# Altium PCB Copy of CAN_ESP.PcbDoc (part 2 of 2)
Units mm, origin at the board's own origin, x right, y up, seen from the top; angles counter-clockwise.
Board outline 74.5 x 32.7 mm, 2 copper layers (Top Layer, Bottom Layer), stack 1.1 mm thick; 81 components, 81 nets, 370 pads, 358 vias.
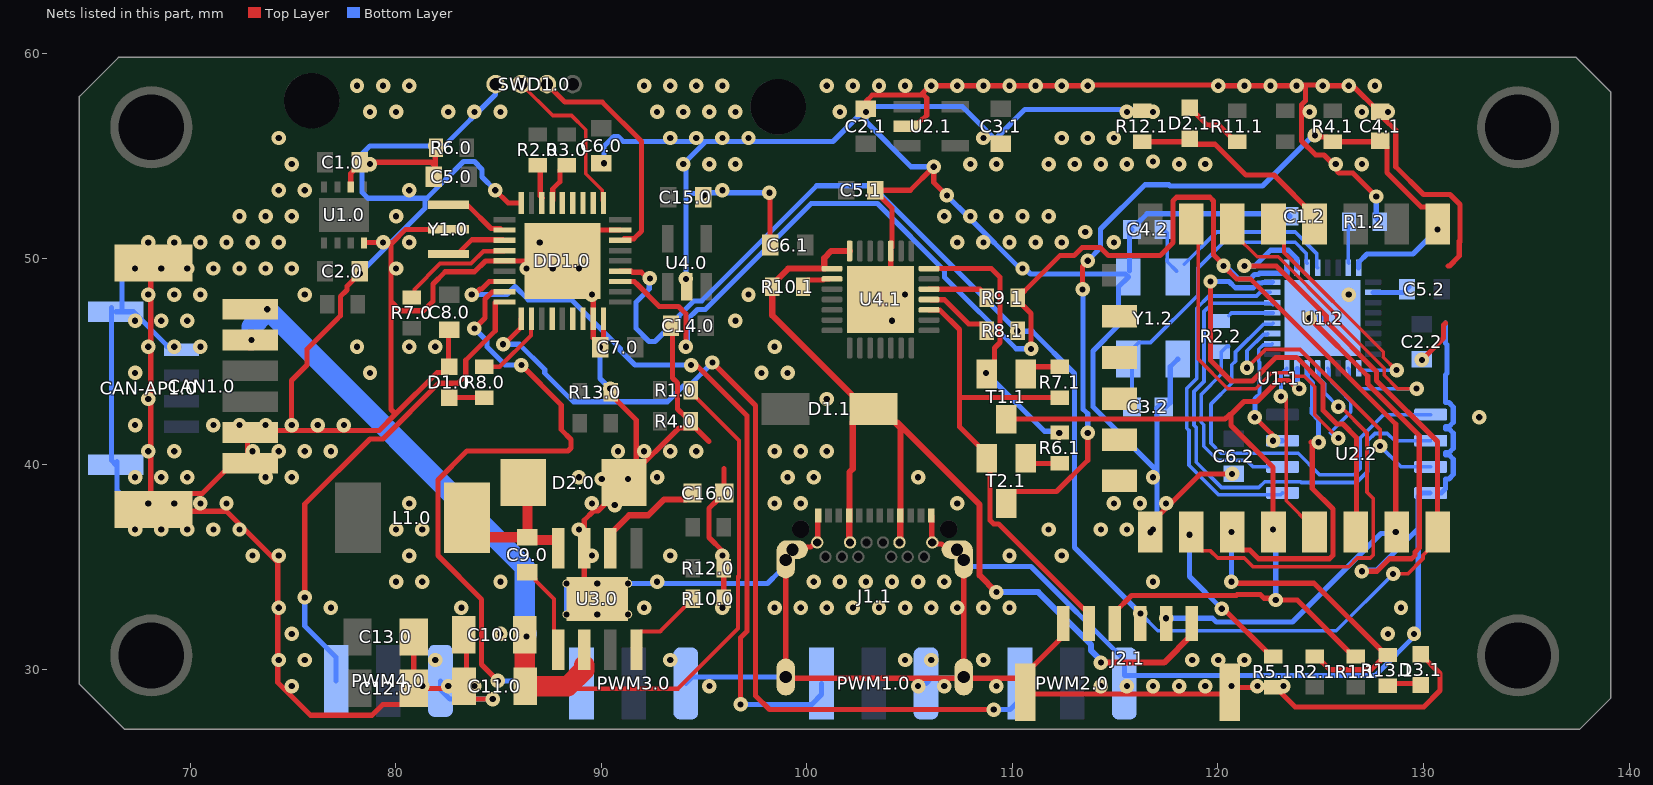
[diagram p2: the nets of this part, all layers, seen from the top]

## Via types
v1: diameter 0.7, hole 0.3, Top Layer to Bottom Layer, tented both sides, 358 vias

## Nets (pads, with @x,y where several pads share a name; then routed paths per layer and width w, separated by ;. In a path a pad name is that pad's centre, name@x,y a point inside that pad or via, vN(x,y) a via of type N, cw(c..) or ccw(c..) an arc to the next point about the centre after c; other vN are vias at no path point) (continued)
GND: C1.0.2 C1.2.2 C2.0.2 C2.1.2 C2.2.2 C3.1.2 C3.2.2 C4.1.2 C4.2.1 C5.0.2 C5.1.2 C6.0.2 C6.1.2 C6.2.2 C7.0.2 C8.0.2 C10.0.2 C11.0.2 C12.0.1 C13.0.1 C14.0.2 C15.0.2 C16.0.1 CAN1.0.5 CAN1.0.6 CAN1.0.P1 CAN1.0.P2 CAN-AP1.0.4 CAN-AP1.0.SH1 CAN-AP1.0.SH2 D1.0.C D2.0.A D3.1.C DD1.0.5 DD1.0.17 DD1.0.18 DD1.0.26 DD1.0.36 DD1.0.37 J1.1.A1 J1.1.A12 J1.1.B1 J1.1.B12 J1.1.SH1 J1.1.SH2 J1.1.SH3 J1.1.SH4 J1.1.SH5 J1.1.SH6 J2.1.6 J2.1.S1 J2.1.S2 PWM1.0.1 PWM2.0.1 PWM3.0.1 PWM4.0.1 R1.2.2 R4.0.1 R5.1.2 R6.0.1 R10.0.1 R12.0.1 R12.1.2 R13.0.1 SWD1.0.1 U1.0.2 U1.0.8 U1.1.15 U1.2.33 U2.1.2 U2.2.4 U3.0.7 U3.0.9 U4.0.2 U4.1.3 U4.1.29 Y1.0.2 Y1.2.2 Y1.2.4 | length 477.5
  Top Layer w0.25: CAN1.0.P1@67.326,49.8 CAN1.0.P1@68.2,49.8 68.072,49.672 CAN1.0.P2@68.072,37.846 ; CAN1.0.P2@67.437,37.719 67.518,37.8 CAN1.0.P2@68.2,37.8 68.975,38.575 70.485,38.575 70.575,38.575 72.005,40.005 CAN1.0.6@72.39,40.005 ; CAN1.0.P2@69.469,37.719 71.755,37.719 72.517,36.957 74.249,35.225 74.249,33.02 74.249,29.383 75.842,27.79 78.838,27.79 79.363,28.315 80.304,28.315 80.869,28.88 C12.0.1@80.869,29.1 ; CAN1.0.6@72.771,40.005 72.771,41.421 CAN1.0.5@72.9,41.55 73.006,41.656 v1@74.731,41.656 ; U1.0.2@77.8,53.5 77.8,54.15 78.105,54.455 C1.0.2@78.105,54.7 ; C2.0.2@77.978,49.276 77.978,49.028 77.615,48.665 77.615,48.482 77.295,48.162 77.295,47.228 77.122,47.055 75.67,45.603 75.67,44.832 74.915,44.077 74.915,41.84 v1@74.731,41.656 ; C1.0.2@78.25,54.7 81.698,54.7 81.915,54.483 R6.0.1@81.915,55.365 ; U1.0.8@78.486,50.8 v1(79.375,50.8) 79.756,50.8 ; C13.0.1@80.869,31.6 C12.0.1@80.869,29.1 ; D1.0.C@82.55,44.704 82.55,46.5 C8.0.2@82.6,46.55 ; Y1.0.2@82.55,51.435 80.478,51.435 79.843,50.8 79.756,50.8 ; D1.0.C@82.6,44.75 82.325,44.475 82.014,44.475 79.983,42.445 ; C11.0.2@83.312,28.956 83.693,28.575 v1(84.709,28.575) ; C11.0.2@83.312,29.21 83.202,29.1 82.55,29.1 C12.0.1@80.869,29.1 ; C11.0.2@83.315,29.2 83.439,29.324 C10.0.2@83.439,31.75 ; v1(84.836,53.34) 85.461,52.715 DD1.0.36@86.1,52.715 ; DD1.0.37@87.185,50.228 86.857,49.9 DD1.0.5@85.285,49.9 84.355,49.9 83.825,49.37 82.403,49.37 81.805,48.772 81.805,47.937 81.344,47.476 80.2,47.476 79.756,47.92 ; U3.0.9@89.027,33.528 89.165,33.666 U3.0.7@89.165,35.925 89.165,37.285 89.61,37.73 89.83,37.73 D2.0.A@90.751,38.651 ; C7.0.2@89.903,45.847 89.6,46.15 DD1.0.17@89.6,47.085 89.6,50.735 89.027,51.308 89.119,51.4 DD1.0.26@90.915,51.4 ; v1(89.936,45.7) C7.0.2@89.95,45.7 ; C7.0.2@90.043,45.72 90.1,45.777 DD1.0.18@90.1,47.085 ; D2.0.A@90.066,39.336 D2.0.A@90.751,38.651 ; R13.0.1@90.424,43.434 v1(90.424,43.688) ; R13.0.1@90.45,43.5 90.45,43.4 91.694,42.156 D2.0.A@91.694,40.005 ; D2.0.A@90.8,38.016 90.8,38.602 D2.0.A@90.751,38.651 ; D2.0.A@90.932,39.243 90.932,38.832 D2.0.A@90.751,38.651 ; D2.0.A@91.096,39.116 91.096,39.166 D2.0.A@91.251,39.321 ; D2.0.A@91.405,39.405 93.775,41.775 94.48,41.775 R4.0.1@94.488,41.783 ; C14.0.2@93.384,46.736 93.462,46.658 93.462,44.205 93.705,43.962 93.705,42.693 R4.0.1@94.107,42.291 ; R4.0.1@94.361,42.037 94.361,41.989 95.236,41.114 ; C15.0.2@94.869,53.086 v1(94.996,53.086) ; C16.0.1@95.758,38.608 95.758,38.368 95.65,38.26 95.641,38.26 95.24,37.859 95.24,36.443 95.908,35.775 95.908,34.992 R12.0.1@95.95,34.95 R10.0.1@95.95,33.45 95.95,33.209 R10.0.1@96.012,33.147 ; C16.0.1@95.97,38.6 95.97,39.794 ; v1(98.171,53.213) 98.21,53.174 C6.1.2@98.21,50.673 ; J1.1.SH5@98.933,29.591 105.41,29.591 107.571,29.591 J1.1.SH6@107.63,29.65 J1.1.SH4@107.63,35.35 ; J1.1.SH3@98.933,35.179 98.97,35.142 J1.1.SH5@98.97,29.65 ; J1.1.SH1@99.295,35.85 99.419,35.974 100.18,35.974 100.4,36.195 100.457,36.195 100.525,36.263 100.525,37.485 J1.1.A1@100.55,37.51 ; C2.1.2@102.87,57.658 103.176,57.964 105.686,57.964 105.832,57.818 105.832,56.988 105.655,56.811 105.619,56.811 105.258,56.45 U2.1.2@104.877,56.45 ; C5.1.2@103.316,53.34 103.316,53.29 104.14,52.466 U4.1.3@104.14,50.546 ; C5.1.2@103.378,53.34 105.029,53.34 v1@106.108,54.419 ; U4.1.3@104.079,50.382 104.079,48.448 U4.1.29@104.267,48.26 ; 105.611,58.038 106.038,58.465 106.083,58.42 107.27,58.42 107.315,58.465 107.36,58.42 108.54,58.42 108.585,58.465 108.63,58.42 109.81,58.42 109.855,58.465 109.9,58.42 111.08,58.42 111.125,58.465 111.17,58.42 112.35,58.42 112.395,58.465 112.44,58.42 113.62,58.42 113.665,58.465 120.015,58.465 120.06,58.42 121.24,58.42 121.285,58.465 121.33,58.42 122.51,58.42 122.555,58.465 122.6,58.42 123.78,58.42 123.825,58.465 124.251,58.465 ; v1@106.045,54.483 v1@106.108,54.419 ; J1.1.A12@106.05,37.51 106.075,37.485 J1.1.B1@106.075,36.352 ; J1.1.B1@106.1,36.2 106.167,36.133 106.546,36.133 106.865,35.814 J1.1.SH4@107.188,35.814 ; v1(106.807,53.086) 106.172,53.721 106.172,54.356 v1@106.108,54.419 ; J1.1.SH6@107.823,29.591 110.25,29.591 J2.1.S1@110.625,29.216 ; J2.1.S1@110.49,28.829 115.57,28.829 119.38,28.829 120.504,28.829 J2.1.S2@120.575,28.9 120.825,29.15 R5.1.2@122.428,29.15 ; J2.1.S1@110.625,28.9 J2.1.S1@110.625,29.216 ; J2.1.6@112.649,32.258 112.3,31.909 112.3,31.475 110.625,29.8 J2.1.S1@110.625,29.216 ; U1.1.15@116.7,36.7 v1(116.716,36.7) ; U1.1.15@116.713,36.957 116.713,37.113 119.136,39.536 v1(120.689,39.536) ; R5.1.2@122.428,29.083 122.867,29.083 123.756,28.194 130.014,28.194 130.81,28.99 130.81,29.821 D3.1.C@129.867,30.764 ; v1(124.46,47.117) 127.285,44.292 127.285,43.911 129.794,41.402 129.794,35.938 129.595,35.739 129.595,35.578 129.422,35.405 128.346,35.405 127.739,34.798 v1(127,34.798) ; v1(127.7,53.035) 126.561,54.175 125.885,54.175 125.816,54.244 125.816,54.402 125.163,55.055 124.754,55.055 124.069,55.74 124.069,57.501 124.251,57.683 124.251,58.465 ; C4.1.2@127.892,57.15 127.842,57.15 126.527,58.465 126.482,58.42 v1(126.365,58.42) 125.14,58.42 125.095,58.465 124.251,58.465 ; C4.1.2@128.081,56.828 128.651,56.258 128.651,54.483 130.004,53.13 131.287,53.13 131.779,52.638 131.779,50.815 131.74,50.854 131.74,50.133 131.264,49.657 131.191,49.657 ; v1(129.921,45.085) 130.978,46.142 130.978,46.777 131.064,46.863 ; v1@74.731,41.656 79.195,41.656 79.983,42.445 ; 79.756,47.92 79.756,50.8 ; 79.756,47.92 79.756,42.672 79.983,42.445
  Bottom Layer w0.25: CAN-AP1.0.SH2@66.167,47.625 66.167,40.183 CAN-AP1.0.SH1@66.375,39.975 ; CAN-AP1.0.SH2@66.375,47.425 67.225,47.425 68.85,45.8 68.85,45.75 68.88,45.72 v1(69.215,45.72) CAN-AP1.0.4@69.469,45.72 ; CAN-AP1.0.SH1@66.421,40.132 66.421,38.735 67.437,37.719 ; CAN-AP1.0.SH2@66.675,47.498 66.675,49.149 v1@67.326,49.8 ; v1(78.25,49.294) 81.407,52.451 81.407,52.949 ; v1@81.788,55.499 78.74,55.499 78.349,55.108 78.349,53.242 78.642,52.949 81.407,52.949 ; v1(81.915,55.499) 82.349,55.499 84.85,58 SWD1.0.1@84.85,58.5 ; PWM4.0.1@82.169,29.464 82.169,29.037 82.631,28.575 v1(84.709,28.575) ; v1(84.836,53.34) 84.195,53.981 84.195,54.353 83.817,54.731 83.283,54.731 81.501,52.949 81.407,52.949 ; U3.0.9@88.3,32.7 U3.0.9@88.331,32.7 ; U3.0.9@88.3,34.2 88.3,32.731 U3.0.9@88.331,32.7 ; U3.0.9@89.916,32.766 89.85,32.7 U3.0.9@89.8,32.7 U3.0.9@88.331,32.7 ; v1(89.936,45.7) 89.936,44.176 v1(90.424,43.688) ; v1(90.13,54.65) 90.13,55.475 90.607,55.952 90.814,55.952 91.059,55.707 95.077,55.707 ; U3.0.9@91.3,34.2 98.081,34.2 98.657,34.776 98.67,34.776 99.06,35.166 J1.1.SH3@99.06,35.179 ; PWM3.0.1@94.107,29.337 94.42,29.65 98.865,29.65 J1.1.SH5@98.933,29.718 ; v1(94.107,49.022) 94.107,53.34 ; v1(98.171,53.213) 95.123,53.213 v1(94.996,53.086) 94.91,53.172 94.275,53.172 94.107,53.34 ; v1@102.997,57.404 107.569,57.404 109.373,55.6 ; PWM1.0.1@105.791,29.337 106.045,29.591 J1.1.SH6@107.569,29.591 ; v1(106.172,54.483) 105.068,54.483 102.872,56.679 102.872,57.402 102.87,57.404 102.87,57.312 101.265,55.707 95.077,55.707 ; v1(106.807,53.086) 107.886,52.006 110.426,49.466 v1(110.49,49.53) 110.612,49.53 110.876,49.266 115.491,49.266 Y1.2.4@115.64,49.117 115.165,48.642 115.165,46.765 113.919,45.519 113.919,42.799 117.036,39.682 ; J1.1.SH4@107.696,35.56 107.696,35.259 107.93,35.025 110.905,35.025 115.443,30.487 115.443,29.718 127.635,29.718 129.743,31.826 129.743,36.883 ; 109.22,55.88 110.602,57.262 116.317,57.262 ; Y1.2.4@115.697,49.403 115.697,51.316 C4.2.1@115.816,51.435 ; C4.2.1@115.697,51.689 116.05,51.689 116.556,52.195 123.381,52.195 C1.2.2@123.506,52.07 ; v1(116.716,36.7) 116.716,36.822 117.036,37.142 117.036,39.682 ; C3.2.2@117.221,42.926 117.036,42.741 117.036,39.682 ; C3.2.2@117.475,42.799 117.676,43 117.676,44.753 Y1.2.2@118.04,45.117 ; v1(120.689,39.536) C6.2.2@120.777,39.536 ; v1(124.46,47.117) U1.2.33@125.095,47.117 ; v1(127,34.798) 127.067,34.865 127.725,34.865 129.743,36.883 ; v1(127.7,53.035) 127.7,51.993 R1.2.2@127.877,51.816 ; U2.2.4@130.302,38.608 129.908,38.608 129.743,38.443 129.743,36.883 ; U2.2.4@130.81,38.608 130.866,38.608 131.064,38.806 131.064,39.293 131.236,39.293 131.451,39.508 131.451,40.248 131.236,40.463 131.064,40.463 131.064,40.563 131.236,40.563 131.451,40.778 131.451,41.518 131.236,41.733 131.064,41.733 131.064,41.833 131.236,41.833 131.451,42.048 131.451,42.788 131.236,43.003 131.064,43.003 131.064,44.356 131.136,44.428 131.136,45.82 131.064,45.892 131.064,46.863 ; 94.107,53.34 94.107,54.737 95.077,55.707
  other v1: 74.93,29.21 81.28,29.21 82.55,29.21 83.82,29.21 95.25,29.21 105.41,29.21 106.68,29.21 109.22,29.21 114.3,29.21 115.57,29.21 116.84,29.21 118.11,29.21 119.38,29.21 120.65,29.21 121.92,29.21 123.19,29.21 74.295,30.48 75.565,30.48 81.915,30.48 93.345,30.48 104.775,30.48 106.045,30.48 108.585,30.48 118.745,30.48 120.015,30.48 121.285,30.48 74.93,31.75 85.09,31.75 128.27,31.75 129.54,31.75 74.295,33.02 76.835,33.02 83.185,33.02 92.075,33.02 95.885,33.02 98.425,33.02 99.695,33.02 100.965,33.02 102.235,33.02 103.505,33.02 104.775,33.02 106.045,33.02 107.315,33.02 108.585,33.02 109.855,33.02 128.905,33.02 80.01,34.29 81.28,34.29 85.09,34.29 92.71,34.29 100.33,34.29 101.6,34.29 102.87,34.29 104.14,34.29 105.41,34.29 106.68,34.29 116.84,34.29 73.025,35.56 74.295,35.56 80.645,35.56 89.535,35.56 93.345,35.56 95.885,35.56 109.855,35.56 112.395,35.56 67.31,36.83 68.58,36.83 69.85,36.83 71.12,36.83 72.39,36.83 80.01,36.83 81.28,36.83 88.9,36.83 111.76,36.83 114.3,36.83 115.57,36.83 116.84,36.83 90.651,38.016 67.945,38.1 69.215,38.1 70.485,38.1 71.755,38.1 80.645,38.1 89.535,38.1 98.425,38.1 99.695,38.1 107.315,38.1 114.935,38.1 116.205,38.1 117.475,38.1 90.016,39.286 91.286,39.286 67.31,39.37 68.58,39.37 69.85,39.37 73.66,39.37 74.93,39.37 88.9,39.37 92.71,39.37 99.06,39.37 100.33,39.37 105.41,39.37 116.84,39.37 67.945,40.64 69.215,40.64 73.025,40.64 74.295,40.64 75.565,40.64 76.835,40.64 90.805,40.64 92.075,40.64 93.345,40.64 94.615,40.64 98.425,40.64 99.695,40.64 100.965,40.64 67.31,41.91 71.12,41.91 72.39,41.91 73.66,41.91 74.93,41.91 76.2,41.91 77.47,41.91 132.715,42.291 67.945,43.18 100.965,43.18 67.31,44.45 78.74,44.45 97.79,44.45 99.06,44.45 67.945,45.72 70.485,45.72 78.105,45.72 80.645,45.72 81.915,45.72 98.425,45.72 67.31,46.99 68.58,46.99 69.85,46.99 96.52,46.99 104.14,46.99 67.945,48.26 69.215,48.26 70.485,48.26 75.565,48.26 89.535,48.26 97.155,48.26 104.775,48.26 126.365,48.26 67.31,49.53 68.58,49.53 69.85,49.53 71.12,49.53 72.39,49.53 73.66,49.53 74.93,49.53 80.01,49.53 86.36,49.53 87.63,49.53 88.9,49.53 67.945,50.8 69.215,50.8 70.485,50.8 71.755,50.8 73.025,50.8 74.295,50.8 80.645,50.8 86.995,50.8 107.315,50.8 108.585,50.8 109.855,50.8 111.125,50.8 112.395,50.8 114.935,50.8 113.538,51.308 72.39,52.07 73.66,52.07 74.93,52.07 80.01,52.07 106.68,52.07 107.95,52.07 109.22,52.07 110.49,52.07 111.76,52.07 74.295,53.34 75.565,53.34 80.645,53.34 95.885,53.34 74.93,54.61 78.74,54.61 93.98,54.61 95.25,54.61 96.52,54.61 107.95,54.61 109.22,54.61 111.76,54.61 113.03,54.61 114.3,54.61 115.57,54.61 118.11,54.61 119.38,54.61 125.73,54.61 127,54.61 116.84,54.737 74.295,55.88 93.345,55.88 94.615,55.88 95.885,55.88 97.155,55.88 108.585,55.88 112.395,55.88 113.665,55.88 114.935,55.88 78.74,57.15 80.01,57.15 82.55,57.15 83.82,57.15 85.09,57.15 92.71,57.15 93.98,57.15 95.25,57.15 96.52,57.15 101.6,57.15 102.87,57.15 115.57,57.15 116.84,57.15 124.46,57.15 127,57.15 128.27,57.15 78.105,58.42 79.375,58.42 80.645,58.42 92.075,58.42 93.345,58.42 94.615,58.42 95.885,58.42 100.965,58.42 102.235,58.42 103.505,58.42 104.775,58.42 106.045,58.42 107.315,58.42 108.585,58.42 109.855,58.42 111.125,58.42 112.395,58.42 113.665,58.42 120.015,58.42 121.285,58.42 122.555,58.42 123.825,58.42 125.095,58.42 127.635,58.42
GPIO0: J2.1.4 R1.1.1 T1.1.3 U1.1.18 U1.2.15 | length 39.9
  Top Layer w0.25: T1.1.3@109.7,42.2 120.337,42.2 120.555,42.418 ; J2.1.4@114.975,32.25 114.975,32.8 115.795,33.62 120.892,33.62 120.937,33.665 122.06,33.665 122.238,33.487 122.723,33.487 v1(122.809,33.401) ; v1(122.682,36.83) 122.682,39.855 120.64,41.897 120.64,42.431 121.262,43.053 121.897,43.053 122.923,44.079 123.439,44.079 123.83,43.688 v1(123.952,43.688) ; v1@122.809,33.395 123.855,33.395 R1.1.1@126.619,30.631
  Bottom Layer w0.25: v1(122.682,36.83) 122.809,36.703 v1(122.809,33.401) ; U1.2.15@123.845,44.667 123.855,44.657 123.855,43.907 123.952,43.81 v1(123.952,43.688)
GPIO2: R2.1.1 R13.1.1 U1.1.17 U1.2.14 | length 30.7
  Top Layer w0.25: v1@120.792,34.432 120.792,34.281 120.858,34.215 124.677,34.215 128.17,30.722 R13.1.1@128.27,30.722 ; U1.1.17@120.904,36.068 121.147,35.825 121.558,35.825 121.978,35.405 125.422,35.405 125.595,35.578 125.595,37.822 124.587,38.83 124.587,41.021 124.534,41.074 v1(124.894,41.074) ; R2.1.1@124.7,30.65 124.8,30.65 125.445,30.005 127.453,30.005 128.055,30.607 R13.1.1@128.17,30.607
  Bottom Layer w0.25: v1(120.65,34.29) v1(120.65,36.703) ; U1.2.14@124.345,44.667 124.355,44.657 124.355,44.197 124.597,43.955 124.597,42.745 124.587,42.735 124.587,42.493 124.894,42.186 v1(124.894,41.074)
GPIO4: U1.1.19 U1.2.16 | length 8.5
  Top Layer w0.18: v1(123.063,43.307) 123.19,43.307 123.317,43.18 123.317,38.227 U1.1.19@124.587,36.957
  Bottom Layer w0.18: v1(123.063,43.307) 123.063,44.385 U1.2.16@123.345,44.667
GPIO5: U1.1.20 U1.2.24 | length 22
  Top Layer w0.25: v1(119.634,48.895) 119.634,45.062 120.637,44.059 121.679,44.059 122.828,45.208 123.829,45.208 125.111,43.926 125.111,42.633 125.778,41.966 126.079,41.966 126.746,41.298 126.746,37.338 U1.1.20@126.365,36.957
  Bottom Layer w0.25: v1(119.634,48.895) 120.541,48.895 120.844,48.592 121.726,48.592 121.951,48.817 122.141,48.817 122.181,48.857 122.635,48.857 U1.2.24@122.645,48.867
GPIO9: U1.1.11
GPIO10: U1.1.12
GPIO12: U1.1.6 U1.2.10 | length 16.3
  Top Layer w0.17: U1.1.6@120.819,51.181 121.906,50.094 122.933,50.094 125.782,47.244 125.782,46.984 128.085,44.681 128.085,44.336 128.733,43.688 v1(129.667,43.688)
  Bottom Layer w0.17: U1.2.10@126.345,44.667 126.395,44.617 126.395,44.233 126.94,43.688 v1(129.667,43.688)
GPIO13: U1.1.7 U1.2.12 | length 21.1
  Top Layer w0.17: U1.1.7@118.7,51.7 119.029,51.371 119.029,45.129 120.479,43.679 121.837,43.679 122.617,44.459 123.597,44.459 123.763,44.293 124.203,44.293 124.714,43.782 124.714,42.418 v1(125.857,41.275)
  Bottom Layer w0.17: U1.2.12@125.345,44.667 125.395,44.617 125.395,44.19 125.535,44.05 125.535,43.999 126.227,43.307 126.227,43.284 126.462,43.05 126.462,42.548 125.459,41.546 125.73,41.275 v1(125.857,41.275)
GPIO14: U1.1.5 U1.2.9 | length 11.4
  Top Layer w0.18: U1.1.5@122.7,51.7 123.21,51.19 123.21,50.311 128.041,45.48 128.041,45.213 128.667,44.587 v1(128.69,44.587)
  Bottom Layer w0.18: U1.2.9@126.873,44.577 128.68,44.577 v1(128.69,44.587)
GPIO15: R5.1.1 U1.1.16 U1.2.13 | length 27.7
  Top Layer w0.18: U1.1.16@119.126,36.322 119.126,35.874 119.21,35.79 119.642,35.79 119.992,35.44 121.278,35.44 121.698,35.02 126.359,35.02 126.779,35.44 127.408,35.44 127.56,35.592 127.56,38.337 127.254,38.643 127.254,41.529 125.984,42.799 v1(125.857,42.799)
  Top Layer w0.25: v1(118.618,36.576) U1.1.16@118.745,36.703 ; v1(120.187,32.975) 120.275,32.975 122.6,30.65 R5.1.1@122.7,30.65
  Bottom Layer w0.18: U1.2.13@124.845,44.667 124.89,44.622 124.89,44.207 125.19,43.907 125.19,43.466 v1(125.857,42.799)
  Bottom Layer w0.25: v1(118.618,36.576) 118.618,34.544 v1(120.187,32.975)
GPIO16: D2.1.C R12.1.1 U1.1.4 | length 10.2
  Top Layer w0.25: R12.1.1@116.317,55.7 118.438,55.7 D2.1.C@118.618,55.88 ; D2.1.C@118.632,55.85 118.907,55.575 119.855,55.575 121.355,54.075 122.725,54.075 124.714,52.086 U1.1.4@124.714,51.943
LED1: DD1.0.11 R8.0.1 | length 3.8
  Top Layer w0.2: R8.0.1@84.3,44.75 85.05,44.75 86.57,46.27 86.57,47.073 DD1.0.11@86.614,47.117
MISO: U1.1.10
MOSI: U1.1.13
nDTR: R6.1.1 T1.1.2 U4.1.28 | length 13.3
  Top Layer w0.25: U4.1.28@106.053,49.522 108.974,49.522 109.395,49.101 109.395,45.928 109.125,45.658 109.125,44.775 T1.1.2@108.756,44.406 ; v1(112.279,41.529) R6.1.1@112.3,41.55
  Bottom Layer w0.25: v1(108.712,44.45) 111.554,41.608 112.2,41.608 v1(112.279,41.529)
NetC4.2_2: C4.2.2 U1.2.28 Y1.2.1 | length 10.5
  Bottom Layer w0.18: C4.2.2@117.356,51.435 117.53,51.261 117.53,49.856 Y1.2.1@117.983,49.403 ; Y1.2.1@118.364,49.741 119.931,51.308 123.754,51.308 124.8,50.262 124.8,49.612 U1.2.28@124.845,49.567
NetC5.2_2: C5.2.2 U1.2.2 | length 1.9
  Bottom Layer w0.25: U1.2.2@127.545,48.367 129.012,48.367 C5.2.2@129.286,48.641
NetC9.0_1: C9.0.1 D2.0.C L1.0.2 U3.0.8 | length 7.6
  Top Layer w0.5: L1.0.2@83.454,37.4 83.454,37.318 84.322,36.45 86.15,36.45 86.233,36.533 C9.0.1@86.233,36.576 ; C9.0.1@86.233,36.449 86.249,36.449 86.4,36.6 86.4,39.15 D2.0.C@86.35,39.2 ; C9.0.1@86.4,36.45 86.528,36.322 U3.0.8@87.757,36.322
NetC9.0_2: C9.0.2 U3.0.1 | length 4.4
  Top Layer w0.2: C9.0.2@86.4,34.75 86.5,34.75 86.8,34.45 86.8,34.35 87.695,33.455 87.695,31.177 U3.0.1@87.884,30.988
NetC16.0_2: C16.0.2 U3.0.6 | length 5
  Top Layer w0.3: U3.0.6@90.424,36.449 90.424,36.599 91.347,37.523 92.275,37.523 93.038,38.285 94.135,38.285 94.43,38.58 C16.0.2@94.43,38.6
NetD1.0_A: D1.0.A R8.0.2 | length 1.6
  Top Layer w0.25: D1.0.A@82.677,43.307 82.734,43.25 R8.0.2@84.3,43.25
NetD2.1_A: D2.1.A R11.1.1 | length 2.9
  Top Layer w0.25: D2.1.A@118.632,57.35 119.482,56.5 120.047,56.5 120.794,55.753 R11.1.1@120.904,55.753
NetD3.1_A: D3.1.A R13.1.2 | length 1.7
  Top Layer w0.25: R13.1.2@128.27,29.222 128.385,29.337 D3.1.A@129.921,29.337
NetDD1.0_2: DD1.0.2 Y1.0.1 | length 3.2
  Top Layer w0.25: Y1.0.1@82.4,52.578 83.52,52.578 84.623,51.475 85.09,51.475 DD1.0.2@85.09,51.435
NetDD1.0_3: DD1.0.3 Y1.0.3 | length 3.3
  Top Layer w0.25: Y1.0.3@82.169,50.292 83.058,50.292 83.693,50.927 DD1.0.3@85.217,50.927
NetR1.2_1: R1.2.1 U1.2.31 | length 1.8
  Bottom Layer w0.18: U1.2.31@126.365,49.784 126.345,49.804 126.345,51.53 R1.2.1@126.377,51.562
NetR2.2_1: R2.2.1 U1.2.21 | length 2.2
  Bottom Layer w0.18: R2.2.1@120.523,47.232 120.658,47.367 U1.2.21@122.645,47.367 122.678,47.367 U1.2.21@122.682,47.371
NetR6.1_2: R6.1.2 T2.1.1 | length 1.7
  Top Layer w0.25: T2.1.1@110.65,40.3 110.9,40.05 112.223,40.05 R6.1.2@112.268,40.005
NetR7.1_2: R7.1.2 T1.1.1 | length 1.7
  Top Layer w0.25: T1.1.1@110.65,44.4 111,44.75 112.095,44.75 R7.1.2@112.141,44.704
NetR8.1_2: R8.1.2 U4.1.25 | length 3.4
  Top Layer w0.25: U4.1.25@106.045,48.006 106.694,48.006 107.875,46.825 108.525,46.825 108.75,46.6 R8.1.2@108.75,46.5
NetR9.1_2: R9.1.2 U4.1.26 | length 2.9
  Top Layer w0.25: U4.1.26@105.939,48.522 108.428,48.522 108.69,48.26 R9.1.2@108.712,48.26
NetR10.0_2: R10.0.2 U3.0.4 | length 4.1
  Top Layer w0.2: U3.0.4@91.567,31.115 91.567,31.522 91.905,31.86 92.86,31.86 94.1,33.1 94.2,33.1 94.45,33.35 R10.0.2@94.45,33.45
NetR10.1_1: R10.1.1 U4.1.9 | length 1.5
  Top Layer w0.25: R10.1.1@99.81,48.641 99.81,48.741 100.035,48.966 100.793,48.966 100.849,49.022 U4.1.9@101.092,49.022
NRST: C4.1.1 R4.1.1 T2.1.3 U1.1.1 U1.2.32 | length 42.2
  Top Layer w0.25: T2.1.3@109.7,38.1 109.7,38.3 110.075,38.675 112.142,38.675 113.665,40.198 v1(113.665,41.529) ; v1(113.411,48.514) 113.411,49.625 113.665,49.879 v1(113.665,49.911) ; v1(124.714,56.007) 124.8,55.921 125.308,55.921 R4.1.1@125.603,55.626 ; R4.1.1@125.577,55.7 127.836,55.7 C4.1.1@127.889,55.753 ; C4.1.1@127.892,55.75 127.942,55.75 128.217,55.475 128.217,54.2 129.889,52.528 130.225,52.528 U1.1.1@130.683,52.07
  Bottom Layer w0.25: v1(113.411,48.514) 113.44,48.485 113.44,42.684 113.665,42.459 v1(113.665,41.529) ; v1(113.665,49.911) 114.29,50.536 114.29,51.448 116.446,53.604 117.61,53.604 117.669,53.545 122.165,53.545 124.627,56.007 v1(124.714,56.007) ; U1.2.32@126.845,49.567 126.845,49.832 127.254,50.241 129.489,50.241 v1(130.683,51.435)
nRTS: J2.1.5 R7.1.1 T2.1.2 U4.1.24 | length 23.3
  Top Layer w0.25: U4.1.24@105.939,47.522 105.949,47.512 106.467,47.512 107.421,46.558 107.421,41.829 T2.1.2@108.85,40.4 ; 107.442,43.307 107.499,43.25 R7.1.1@112.3,43.25 ; T2.1.2@108.75,40.3 108.905,40.145 108.905,37.278 109.078,37.105 109.326,37.105 113.456,32.975 113.55,32.975 113.665,32.86 J2.1.5@113.665,32.766
PWM1: DD1.0.7 PWM1.0.3 | length 36.7
  Top Layer w0.25: v1(83.693,48.26) 83.815,48.26 84.085,48.53 84.173,48.53 84.538,48.895 DD1.0.7@85.09,48.895 ; v1(94.361,44.831) 94.384,44.854 94.592,44.854 97.08,42.366 97.08,31.878 96.774,31.572 v1(96.774,28.321)
  Bottom Layer w0.25: v1(83.693,48.26) 85.404,48.26 85.795,48.651 86.44,48.006 88.542,48.006 90.917,45.631 90.917,45.545 91.631,44.831 v1(94.361,44.831) ; v1(96.774,28.321) 100.236,28.321 100.711,28.796 PWM1.0.3@100.711,29.337
PWM2: DD1.0.8 PWM3.0.3 | length 33.1
  Top Layer w0.25: v1(83.82,46.609) 84.338,47.127 84.338,48.04 84.685,48.387 DD1.0.8@85.217,48.387 ; v1(84.963,29.464) 84.17,30.257 84.17,33.432 82.042,35.56 82.042,39.237 83.45,40.645 88.378,40.645 88.524,40.791 88.524,41.209 88.044,41.689 88.044,42.893 v1(86.106,44.831)
  Bottom Layer w0.25: v1(83.82,46.609) 84.428,46.001 84.428,45.724 85.321,44.831 v1(86.106,44.831) ; v1(84.963,29.464) 88.9,29.464 PWM3.0.3@89.027,29.337
PWM3: DD1.0.9 PWM4.0.3 | length 23.8
  Top Layer w0.25: v1(75.565,33.528) 75.565,38.069 78.732,41.236 79.369,41.236 82.078,43.945 83.012,43.945 83.395,44.328 83.395,45.062 84.836,46.503 DD1.0.9@84.836,47.879
  Bottom Layer w0.25: v1(75.565,33.528) 75.565,32.138 77.089,30.614 PWM4.0.3@77.089,29.464
PWM4: DD1.0.10 PWM2.0.3 | length 44.9
  Top Layer w0.25: v1(85.217,45.847) 85.272,45.847 86.1,46.675 DD1.0.10@86.1,47.085 ; v1(95.4,44.958) 97.5,42.858 97.5,28.738 98.171,28.067 v1(109.093,28.067)
  Bottom Layer w0.25: v1(85.217,45.847) 86.002,45.847 87.239,44.61 87.239,44.437 88.633,43.043 93.208,43.043 93.968,43.803 94.246,43.803 v1(95.4,44.958) ; v1(109.093,28.067) 109.888,28.067 110.49,28.669 PWM2.0.3@110.49,29.083
RXD0: DD1.0.21 J2.1.2 R9.1.1 U1.1.21 U1.2.25 | length 81.5
  Top Layer w0.25: DD1.0.21@90.915,48.9 90.92,48.895 91.601,48.895 91.751,48.745 92.811,47.686 93.752,47.686 94.107,47.33 v1(94.107,45.72) ; R9.1.1@110.2,48.05 110.905,47.345 v1(110.905,45.62) ; R9.1.1@110.25,48.1 110.25,48.2 110.475,48.425 110.575,48.425 112.305,50.155 112.997,50.155 113.398,50.556 114.267,50.556 114.668,50.155 117.172,50.155 117.805,50.788 117.805,52.822 117.978,52.995 119.598,52.995 119.781,52.812 119.781,50.195 120.269,49.707 v1(120.269,49.657) 120.914,49.012 121.59,49.012 128.651,41.951 U1.1.21@128.651,37.338 ; J2.1.2@117.475,32.25 v1(117.475,32.512)
  Bottom Layer w0.25: v1(94.107,45.72) 94.193,45.806 94.193,47.057 94.673,47.537 95.052,47.537 100.211,52.696 103.428,52.696 106.699,49.425 106.699,49.107 110.18,45.625 110.9,45.625 v1(110.905,45.62) ; v1(117.475,32.512) 119.738,32.512 119.92,32.33 123.62,32.33 127.926,36.636 128.584,36.636 v1(128.651,36.703) ; v1(120.269,49.657) 120.373,49.657 121.018,49.012 121.552,49.012 121.777,49.237 121.967,49.237 122.027,49.297 123.335,49.297 123.345,49.307 U1.2.25@123.345,49.567
SCL/A2: DD1.0.33 R3.0.1 | length 2.1
  Top Layer w0.25: DD1.0.33@87.63,52.832 87.63,53.406 87.975,53.751 87.975,54.325 88.2,54.55 R3.0.1@88.3,54.55
SCLK: U1.1.14
SD_CLK: R2.2.2 U2.2.6 | length 9.3
  Bottom Layer w0.18: R2.2.2@120.523,45.732 120.423,45.732 120.163,45.472 120.163,44.382 119.182,43.401 119.182,42.051 119.309,41.924 119.309,40.877 119.99,40.196 121.385,40.196 121.703,39.878 U2.2.6@122.682,39.878
SD_CMD: U1.2.20 U2.2.1 | length 20.7
  Bottom Layer w0.18: U1.2.20@122.682,46.863 122.641,46.822 122.209,46.822 120.852,45.465 120.852,45.02 120.675,44.843 120.675,43.947 119.659,42.931 119.659,41.022 120.135,40.546 121.53,40.546 121.538,40.538 123.901,40.538 124.942,39.497 126.619,39.497 126.929,39.807 126.929,41.292 128.055,42.418 U2.2.1@130.351,42.418
SD_D0: U1.2.22 U2.2.2 | length 25.2
  Bottom Layer w0.18: U1.2.22@122.682,47.762 122.602,47.842 119.724,47.842 119.315,47.433 119.315,44.029 118.832,43.546 118.832,41.906 118.943,41.795 118.943,40.102 120.169,38.876 121.989,38.876 122.271,39.158 124.011,39.158 124.053,39.116 126.746,39.116 127.279,39.649 127.279,41.147 127.636,41.504 128.241,41.504 128.597,41.148 U2.2.2@130.351,41.148
SD_D1: U1.2.23 U2.2.5 | length 16.9
  Bottom Layer w0.18: U1.2.23@122.535,48.367 122.046,48.367 121.871,48.192 119.566,48.192 118.965,47.591 118.965,44.174 118.482,43.691 118.482,41.761 118.593,41.65 118.593,39.957 120.024,38.526 123.059,38.526 U2.2.5@123.141,38.608
SD_D2: U1.2.18 U2.2.7 | length 6.1
  Top Layer w0.25: v1(121.793,42.291) 122.596,41.488 122.596,41.234 v1(122.682,41.148)
  Bottom Layer w0.18: 121.985,43.307 122.022,43.344 122.022,44.957 121.985,44.994 121.985,45.598 122.209,45.822 122.6,45.822 U1.2.18@122.645,45.867
  Bottom Layer w0.25: v1(121.793,42.291) 121.793,43.18 121.92,43.307 ; v1(122.682,41.148) U2.2.7@123.141,41.148
SD_D3: U1.2.19 U2.2.3 | length 14.3
  Top Layer w0.18: v1(121.412,44.704) 121.412,44.695 122.31,45.593 123.988,45.593 127.889,41.692 v1(127.889,40.894)
  Bottom Layer w0.18: v1(121.412,44.704) 121.412,45.525 122.209,46.322 122.395,46.322 U1.2.19@122.428,46.355 ; v1(127.889,40.894) 128.905,39.878 U2.2.3@130.351,39.878
SDA/A1: DD1.0.34 R2.0.1 | length 1.7
  Top Layer w0.25: R2.0.1@86.9,54.55 87.025,54.425 87.025,53.056 DD1.0.34@87.122,52.959
SPI1_MISO: DD1.0.31
SPI1_MOSI: DD1.0.32
SPI1_NSS: DD1.0.29
SPI1_SCK: DD1.0.30
STM_NRST: DD1.0.4 R7.0.2 | length 5.3
  Top Layer w0.2: R7.0.2@80.899,48.387 80.899,48.514 82.15,49.765 83.662,49.765 84.267,50.37 85.255,50.37 DD1.0.4@85.285,50.4
SWDIO: DD1.0.25 SWD1.0.3 | length 11.2
  Top Layer w0.25: SWD1.0.3@87.35,58.5 88.226,57.624 90.043,57.624 91.958,55.709 91.958,51.356 91.577,50.975 91.107,50.975 DD1.0.25@91.059,50.927
SWLK: DD1.0.28 SWD1.0.2 | length 7.8
  Top Layer w0.18: SWD1.0.2@86.1,58.5 87.629,56.971 88.546,56.971 89.24,56.278 89.24,54.142 90.043,53.339 DD1.0.28@90.043,52.832
T3CH1/ADC6: DD1.0.13
T3CH3/ADC8: DD1.0.15
T3CH4/ADC9: DD1.0.16
TXD0: DD1.0.22 J2.1.3 R8.1.1 U1.1.22 U1.2.26 | length 84.1
  Top Layer w0.18: v1(128.524,34.671) 129.233,34.671 129.98,35.418 129.98,35.58 130.7,36.3 U1.1.22@130.7,36.7
  Top Layer w0.25: DD1.0.22@90.915,49.4 90.92,49.395 91.458,49.395 91.503,49.35 91.936,49.35 92.236,49.051 v1(92.358,49.051) ; v1(121.285,49.657) 122.832,49.657 125.269,47.221 125.269,46.96 127.705,44.524 127.705,44.085 130.683,41.107 U1.1.22@130.683,36.703
  Bottom Layer w0.18: v1@116.205,32.766 v1(116.225,32.746) 117.069,31.902 125.755,31.902 v1(128.524,34.671)
  Bottom Layer w0.25: v1(92.358,49.051) 92.329,49.022 92.329,48.537 91.684,47.892 91.684,46.619 92.319,45.984 92.609,45.984 93.773,47.148 93.773,47.231 94.499,47.957 94.878,47.957 100.476,53.555 103.163,53.555 v1@110.109,46.609 ; v1(110.236,46.482) 110.241,46.477 110.961,46.477 113.02,44.418 113.02,35.951 v1@116.205,32.766 ; v1(121.285,49.657) 121.793,49.657 122.555,50.419 123.433,50.419 123.835,50.017 123.835,49.577 U1.2.26@123.845,49.567
VBUS: D1.1.A J1.1.A4 J1.1.A9 J1.1.B4 J1.1.B9 J2.1.1 R10.1.2 U4.1.7 U4.1.8 | length 48.3
  Top Layer w0.3: U4.1.8@100.838,49.53 100.838,50.038 101.182,50.382 U4.1.7@102.079,50.382 ; U4.1.8@100.864,49.522 99.091,49.522 98.31,48.741 R10.1.2@98.31,48.641 98.31,47.245 102.616,42.939 D1.1.A@102.616,42.672 ; J1.1.A4@102.05,37.51 102.06,37.5 102.06,36.339 102.077,36.322 J1.1.B9@102.108,36.322 ; J1.1.A4@102.07,37.338 102.07,39.626 102.225,39.781 102.225,42.07 D1.1.A@102.722,42.566 ; D1.1.A@104.013,42.418 104.013,42.312 104.55,41.775 J1.1.A9@104.55,37.51 104.54,37.5 104.54,36.214 J1.1.B4@104.521,36.195 ; D1.1.A@104.394,42.037 108.4,38.031 108.4,34.602 v1(109.22,33.782) ; v1(114.3,30.353) 117.378,30.353 118.725,31.7 J2.1.1@118.725,32.25
  Bottom Layer w0.3: v1(109.22,33.782) 111.261,33.782 113.823,31.22 113.823,30.938 114.3,30.461 v1(114.3,30.353)
Vin: C10.0.1 C11.0.1 CAN1.0.1 CAN1.0.2 R1.0.2 U3.0.2 | length 50.4
  Top Layer w0.2: 88.519,29.083 93.726,29.083 96.647,32.004 96.647,34.544 ; R1.0.2@94.35,43.6 94.35,43.5 96.685,41.165 96.685,34.503
  Top Layer w1: CAN1.0.2@72.9,46.05 v1(72.974,46.05) ; C11.0.1@86.233,29.464 86.278,29.509 86.278,31.692 C10.0.1@86.27,31.7 ; C11.0.1@86.285,29.2 88.36,29.2 89.154,29.994 U3.0.2@89.154,30.226
  Bottom Layer w0.2: v1(86.36,31.623) v1@86.36,31.75
  Bottom Layer w1: v1(72.974,46.05) 72.974,46.685 v1@73.66,47.371 ; v1@73.787,47.498 86.26,35.025 86.26,31.85 v1@86.36,31.75
  other v1: 73.735,47.55
XTAL_OUT: C3.2.1 U1.2.27 Y1.2.3 | length 15
  Bottom Layer w0.18: Y1.2.3@115.64,45.117 115.64,45.417 116.15,45.927 116.718,45.927 119.024,48.233 119.024,49.555 120.273,50.804 123.758,50.804 124.3,50.262 124.3,49.817 U1.2.27@124.333,49.784 ; Y1.2.3@115.697,45.085 115.816,44.966 C3.2.1@115.816,42.799
pads on no net: J1.1. J1.1.A2 J1.1.A3 J1.1.A5 J1.1.A8 J1.1.A10 J1.1.A11 J1.1.B2 J1.1.B3 J1.1.B5 J1.1.B8 J1.1.B10 J1.1.B11 U1.0.P$9 U1.2.5 U1.2.8 U2.1.4 U3.0.3 U4.0.4 U4.1.1 U4.1.2 U4.1.10 U4.1.11 U4.1.12 U4.1.13 U4.1.14 U4.1.15 U4.1.16 U4.1.17 U4.1.18 U4.1.19 U4.1.20 U4.1.21 U4.1.22 U4.1.23 U4.1.27

## Polygon pours and split planes (outlines as drawn)
GND on Bottom Layer "GND_L02_P020" (solid, remove dead copper, pour order 20): 73.914,59.309 ccw(c74.527,58.696) 73.66,58.696 73.66,55.154 cw(c71.12,55.154) 72.916,53.358 71.737,52.179 cw(c69.941,53.975) 69.941,51.435 66.04,51.435 66.04,35.867 cw(c65.606,35.867) 65.913,35.56 71.501,35.56 cw(c71.501,33.72) 72.802,35.021 73.152,34.671 cw(c71.926,33.445) 73.66,33.445 73.66,30.135 ccw(c76.2,30.135) 74.404,28.339 74.422,28.321 ccw(c75.648,29.547) 75.648,27.813 127.762,27.813 ccw(c127.762,30.266) 129.496,28.531 130.048,29.083 ccw(c129.435,29.696) 130.302,29.696 130.302,33.274 cw(c131.222,33.274) 130.571,33.924 131.445,34.798 ccw(c129.912,36.331) 131.699,37.559 131.699,49.426 ccw(c129.54,50.764) 131.336,52.56 130.284,53.612 cw(c132.08,55.408) 129.54,55.408 129.54,56.733 ccw(c127,56.733) 128.796,58.529 128.633,58.692 ccw(c126.837,56.896) 126.837,59.436 119.38,59.436
ANT on Bottom Layer "ANT_L02_P014" (solid, pour order 14): 138.811,49.149 138.811,47.498 135.001,47.498 135.001,46.863 138.811,46.863 138.811,45.212 135.001,45.212 135.001,44.577 138.811,44.577 138.811,42.926 135.001,42.926 135.001,42.291 138.811,42.291 138.811,38.1 138.303,38.1 138.303,41.783 134.493,41.783 134.493,43.434 138.303,43.434 138.303,44.069 134.493,44.069 134.493,45.72 138.303,45.72 138.303,46.355 134.493,46.355 134.493,48.006 138.303,48.006 138.303,48.641 132.969,48.641 132.969,41.707 132.461,41.707 132.461,48.641 131.699,48.641 131.699,49.149
no net on Bottom Layer "Bottom Layer-No Net 6" (solid, pour order 12): -3.65,8.875
GND on Top Layer "GND_L01_P016" (solid, remove dead copper, pour order 16): 73.533,59.309 ccw(c74.146,58.696) 73.279,58.696 73.279,55.154 cw(c70.739,55.154) 72.535,53.358 71.356,52.179 cw(c69.56,53.975) 69.56,51.435 65.659,51.435 65.659,35.867 cw(c65.226,35.866) 65.532,35.56 71.12,35.56 cw(c71.12,33.721) 72.421,35.021 72.771,34.671 cw(c71.545,33.445) 73.279,33.445 73.279,30.135 ccw(c75.819,30.135) 74.023,28.339 74.041,28.321 ccw(c75.267,29.547) 75.267,27.813 127.381,27.813 ccw(c127.381,30.266) 129.115,28.531 129.667,29.083 ccw(c129.054,29.696) 129.921,29.696 129.921,33.274 cw(c130.841,33.274) 130.19,33.924 131.064,34.798 ccw(c129.531,36.331) 131.699,36.331 131.826,37.211 132.969,39.751 132.969,46.101 131.699,46.101 131.699,50.76 ccw(c129.16,50.764) 130.955,52.56 129.903,53.612 cw(c131.699,55.408) 129.159,55.408 129.159,56.733 ccw(c126.619,56.733) 128.415,58.529 128.252,58.692 ccw(c126.456,56.897) 126.456,59.436 118.999,59.436

## Silkscreen, mask and mechanical layers (free items; w line width, h text height)
Top Overlay:
  lines w0.254: 64.922,54.934 ccw(c68.1,56.4) 69.641,59.543 ; 65.036,32.291 cw(c68.1,30.6) 69.525,27.403 ; 65.039,53.102 ccw(c68.1,56.4) 71.498,59.35 ; 65.094,33.849 cw(c68.1,30.5) 71.522,27.578 ; 131.219,27.63 cw(c134.6,30.6) 138.588,32.684 ; 131.301,59.36 ccw(c134.6,56.3) 138.639,54.316 ; 132.222,28.032 cw(c134.6,30.6) 136.675,27.782 ; 132.717,59.25 ccw(c134.6,56.3) 136.545,59.21
Bottom Overlay:
  drawing of 91 lines, arcs and shapes, not listed
  text "GND / SWCLK / SWDIO / 3V3" at 88.773,53.721 h0.7 r90
  text "Vin / Vin / H / L / GND / GND" at 71.12,47.117 h0.7 r180
  text "CAN 2 Wi-Fi v1 / raccoonlab.org/uavcan / @sainquake" at 93.472,44.323 h0.7
Mechanical 2:
  lines w0.2: 64.6,29.3 64.6,57.9 66.5,59.8 82.3,59.8 108.1,59.8 137.431,59.8 139.1,58.131 139.1,28.61 137.59,27.1 110.1,27.1 66.8,27.1 64.6,29.3

## Text inside footprints (layer, text, board x,y; h text height)
J1.1: Mechanical 13 "PCB EDGE" at 108.314,26.279 h0.7